# KiCad board iMX6_BareBones.kicad_pcb (continued)
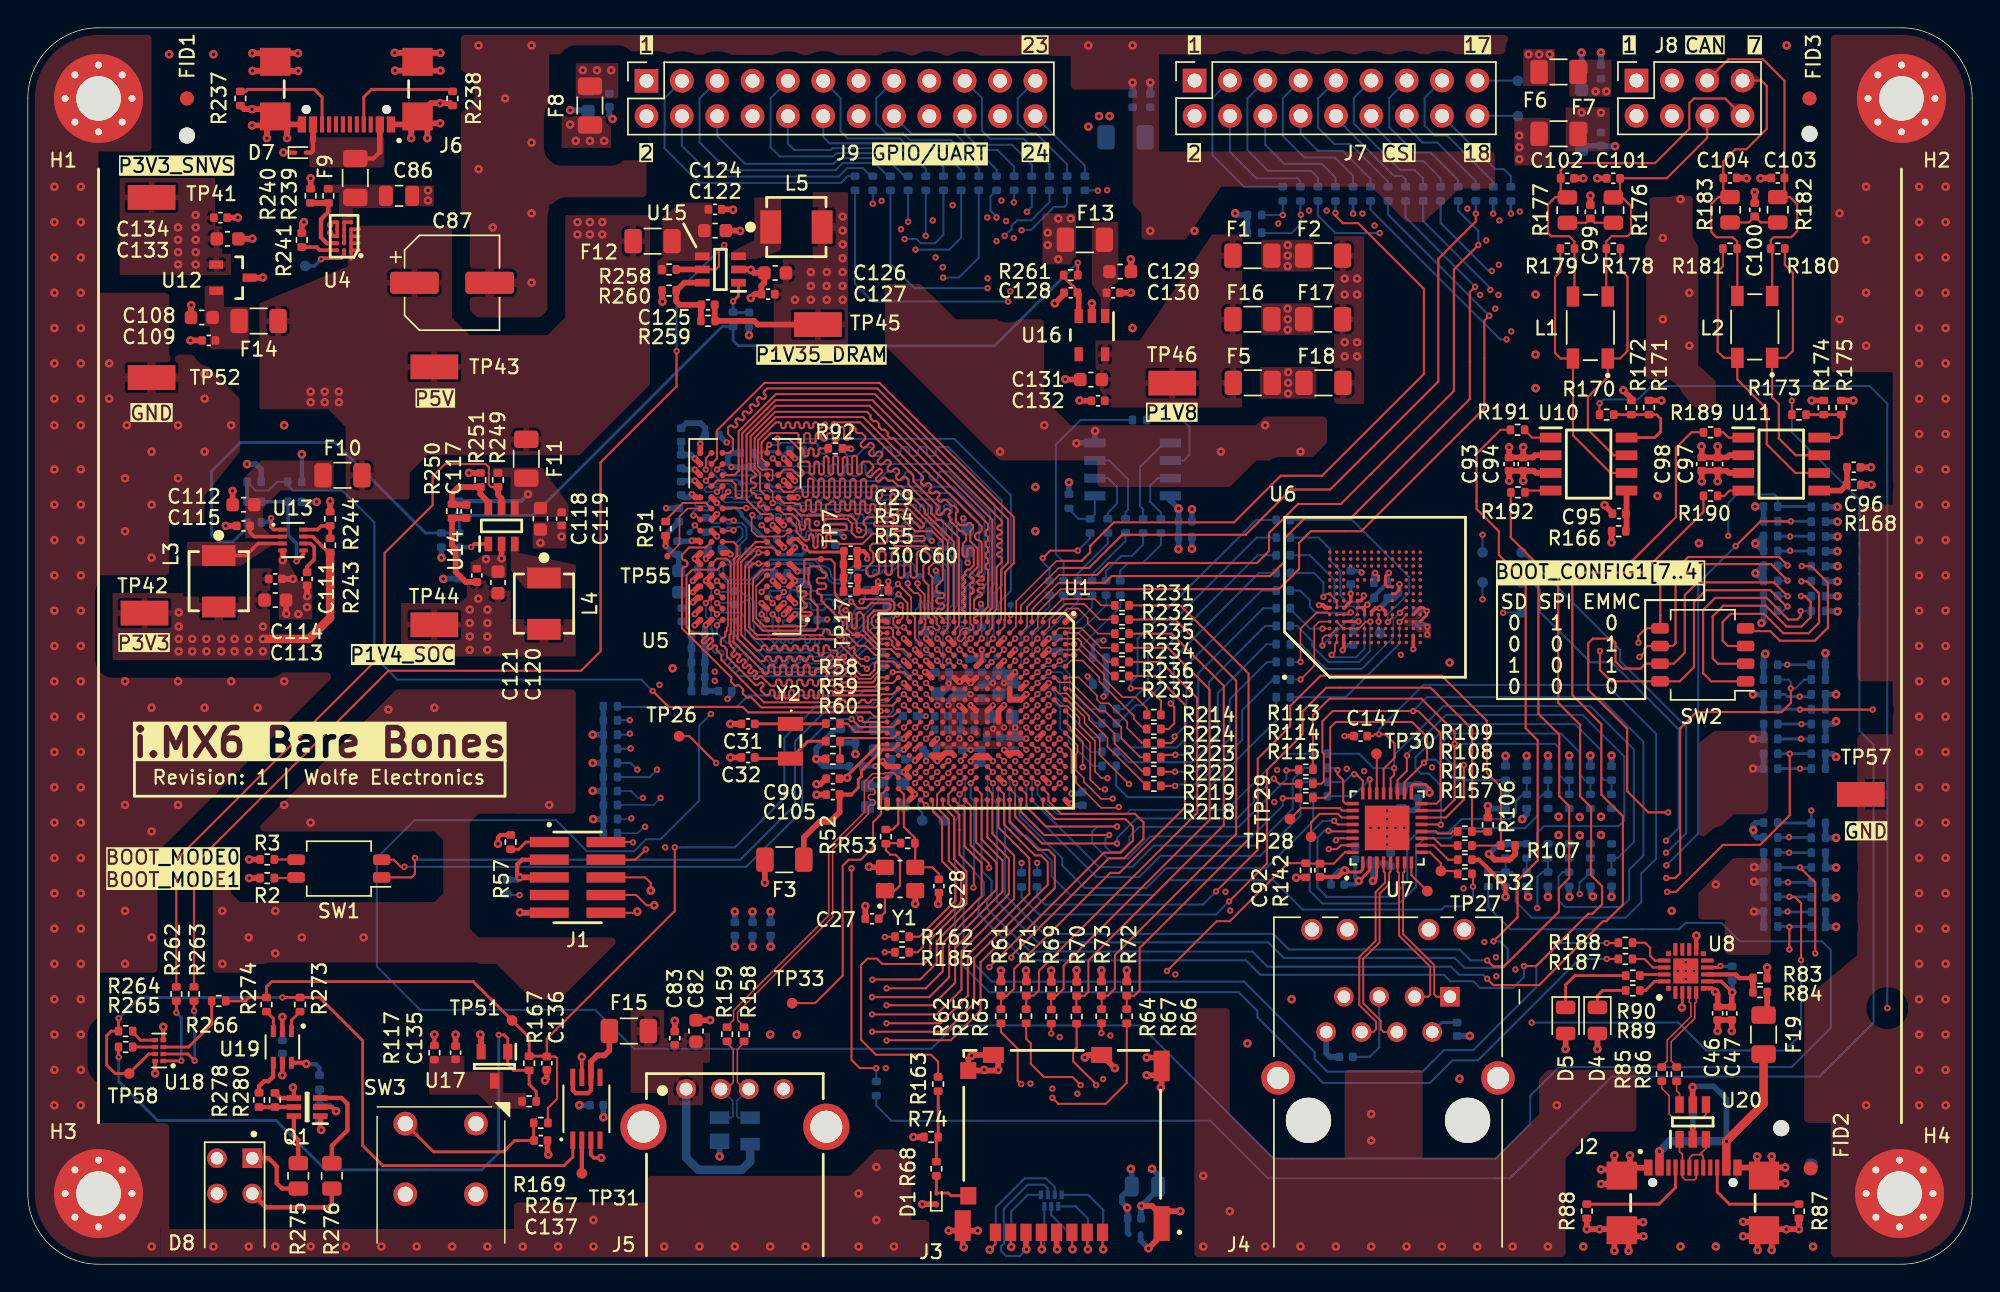
[diagram p0: board, top side]
## Placement (name value [footprint] x y rotation side) (continued)
R137  1k  [R_0402_1005Metric]  109.22 27.68 90 bottom  (not fitted)
R138  4.7k  [R_0402_1005Metric]  107.7 29.71 90 bottom  (not fitted)
R139  1k  [R_0402_1005Metric]  107.7 27.68 90 bottom
R140  4.7k  [R_0402_1005Metric]  106.17 29.71 90 bottom
R141  1k  [R_0402_1005Metric]  106.17 27.68 90 bottom  (not fitted)
R142  1k  [R_0402_1005Metric]  91.82 28.32 270 top
R143  0  [R_0402_1005Metric]  73.41 77.72 90 bottom
R144  0  [R_0402_1005Metric]  72.14 77.72 90 bottom
R145  0  [R_0402_1005Metric]  95.21 76.96 90 bottom
R146  0  [R_0402_1005Metric]  96.47 76.96 90 bottom
R147  0  [R_0402_1005Metric]  93.95 76.96 90 bottom
R148  0  [R_0402_1005Metric]  92.69 76.96 90 bottom
R149  0  [R_0402_1005Metric]  105.29 76.96 90 bottom
R150  0  [R_0402_1005Metric]  106.55 76.96 90 bottom
R151  0  [R_0402_1005Metric]  102.77 76.96 90 bottom
R152  0  [R_0402_1005Metric]  104.03 76.96 90 bottom
R153  0  [R_0402_1005Metric]  100.25 76.96 90 bottom
R154  0  [R_0402_1005Metric]  101.51 76.96 90 bottom
R155  0  [R_0402_1005Metric]  97.73 76.96 90 bottom
R156  0  [R_0402_1005Metric]  98.99 76.96 90 bottom
R157  0  [R_0402_1005Metric]  103.25 28.07 0 top
R158  0  [R_0402_1005Metric]  51.46 16.54 270 top
R159  0  [R_0402_1005Metric]  50.24 16.54 270 top
R160  0  [R_0402_1005Metric]  74.68 77.73 90 bottom
R161  0  [R_0402_1005Metric]  75.95 77.73 90 bottom
R162  0  [R_0402_1005Metric]  62.81 22.43 180 top  (not fitted)
R163  0  [R_0402_1005Metric]  65.41 12.95 270 top  (not fitted)
R164  0  [R_0402_1005Metric]  72.52 27.64 270 bottom
R166  0  [R_0402_1005Metric]  114.3 52.7 0 top
R167  1k  [R_0402_1005Metric]  36.02 14.45 270 top
R168  0  [R_0402_1005Metric]  131.19 56.03 180 top
R169  0  [R_0402_1005Metric]  36.02 11.71 0 top  (not fitted)
R170  0  [R_0402_1005Metric]  113.44 61.09 0 top
R171  10k  [R_0402_1005Metric]  115.21 61.59 270 top  (not fitted)
R172  10k  [R_0402_1005Metric]  116.48 61.59 90 top
R173  0  [R_0402_1005Metric]  127.25 61.09 0 top
R174  10k  [R_0402_1005Metric]  130.3 61.59 90 top
R175  10k  [R_0402_1005Metric]  129.03 61.59 270 top  (not fitted)
R176  62  [R_0805_2012Metric]  113.92 75.8 90 top
R177  62  [R_0805_2012Metric]  110.62 75.8 270 top
R178  0  [R_0402_1005Metric]  113.92 73.03 180 top
R179  0  [R_0402_1005Metric]  110.62 73.03 0 top
R180  0  [R_0402_1005Metric]  125.73 73.03 180 top
R181  0  [R_0402_1005Metric]  122.3 73.03 0 top
R182  62  [R_0805_2012Metric]  125.73 75.82 90 top
R183  62  [R_0805_2012Metric]  122.3 75.82 270 top
R184  0  [R_0402_1005Metric]  71.4 27.64 270 bottom
R185  0  [R_0402_1005Metric]  62.81 23.55 180 top  (not fitted)
R186  0  [R_0402_1005Metric]  60.96 12.62 270 bottom  (not fitted)
R187  0  [R_0402_1005Metric]  114.78 21.95 180 top
R188  0  [R_0402_1005Metric]  114.78 23.11 180 top
R189  0  [R_0402_1005Metric]  120.9 59.82 180 top
R190  0  [R_0402_1005Metric]  120.9 55.25 180 top
R191  0  [R_0402_1005Metric]  107.04 59.99 180 top
R192  0  [R_0402_1005Metric]  107.06 55.5 180 top
R193  0  [R_0402_1005Metric]  59.44 77.73 270 bottom
R194  0  [R_0402_1005Metric]  61.98 77.72 270 bottom
R195  0  [R_0402_1005Metric]  63.25 77.72 270 bottom
R196  0  [R_0402_1005Metric]  60.71 77.72 270 bottom
R197  0  [R_0402_1005Metric]  64.52 77.72 270 bottom
R198  0  [R_0402_1005Metric]  68.33 77.72 270 bottom
R199  0  [R_0402_1005Metric]  65.79 77.73 270 bottom
R200  0  [R_0402_1005Metric]  67.06 77.72 270 bottom
R201  0  [R_0402_1005Metric]  69.6 77.72 270 bottom
R202  0  [R_0402_1005Metric]  70.87 77.72 270 bottom
R203  0  [R_0402_1005Metric]  90.2 47.16 0 bottom
R204  0  [R_0402_1005Metric]  90.2 42.04 0 bottom
R205  0  [R_0402_1005Metric]  90.2 43.31 0 bottom
R206  0  [R_0402_1005Metric]  90.2 52.24 0 bottom
R207  0  [R_0402_1005Metric]  90.2 50.97 0 bottom
R208  0  [R_0402_1005Metric]  90.2 45.89 0 bottom
R209  0  [R_0402_1005Metric]  90.2 48.43 0 bottom
R210  0  [R_0402_1005Metric]  90.2 49.7 0 bottom
R211  0  [R_0402_1005Metric]  90.2 40.77 180 bottom
R212  0  [R_0402_1005Metric]  90.2 44.58 180 bottom
R213  0  [R_0402_1005Metric]  90.2 53.51 180 bottom
R214  0  [R_0402_1005Metric]  80.9 39.5 0 top
R215  0  [R_0402_1005Metric]  77.69 35.83 0 bottom
R216  0  [R_0402_1005Metric]  77.69 36.84 0 bottom
R217  0  [R_0402_1005Metric]  77.69 37.88 0 bottom
R218  0  [R_0402_1005Metric]  80.9 34.39 0 top
R219  0  [R_0402_1005Metric]  80.9 35.43 0 top
R220  0  [R_0402_1005Metric]  77.71 39.92 0 bottom
R221  0  [R_0402_1005Metric]  77.69 38.9 0 bottom
R222  0  [R_0402_1005Metric]  80.9 36.45 0 top
R223  0  [R_0402_1005Metric]  80.9 37.47 0 top
R224  0  [R_0402_1005Metric]  80.9 38.48 0 top
R225  0  [R_0402_1005Metric]  75.44 48.63 90 bottom
R226  0  [R_0402_1005Metric]  76.45 48.63 90 bottom
R227  0  [R_0402_1005Metric]  78.49 48.63 90 bottom
R228  0  [R_0402_1005Metric]  74.42 48.63 90 bottom
R229  0  [R_0402_1005Metric]  77.47 48.63 90 bottom
R230  0  [R_0402_1005Metric]  73.41 48.62 90 bottom
R231  0  [R_0402_1005Metric]  78.61 47.37 0 top
R232  0  [R_0402_1005Metric]  78.61 46.36 0 top
R233  0  [R_0402_1005Metric]  78.61 42.29 0 top
R234  0  [R_0402_1005Metric]  78.61 44.32 0 top
R235  0  [R_0402_1005Metric]  78.61 45.34 0 top
R236  0  [R_0402_1005Metric]  78.61 43.31 0 top
R237  5.1k  [R_0402_1005Metric]  15.27 83.82 90 top
R238  5.1k  [R_0402_1005Metric]  30.51 83.82 90 top
R239  1M  [R_0402_1005Metric]  21.59 76.82 90 top
R240  182k  [R_0402_1005Metric]  20.32 76.82 270 top
R241  10k  [R_0402_1005Metric]  19.68 73.64 270 top
R243  200k  [R_0402_1005Metric]  21.72 51.69 270 top
R244  44.2k  [R_0402_1005Metric]  21.72 53.59 270 top
R245  10k  [R_0402_1005Metric]  16.26 54.82 180 bottom
R246  10k  [R_0402_1005Metric]  19.18 56.26 0 bottom  (not fitted)
R247  10k  [R_0402_1005Metric]  16.26 56.26 180 bottom  (not fitted)
R248  0  [R_0402_1005Metric]  16.26 53.34 180 bottom
R249  100k  [R_0402_1005Metric]  33.78 56.39 90 top
R250  100k  [R_0402_1005Metric]  30.48 54.15 270 top
R251  75k  [R_0402_1005Metric]  32.51 56.39 270 top
R252  10k  [R_0402_1005Metric]  30.99 54.36 90 bottom  (not fitted)
R253  10k  [R_0402_1005Metric]  29.72 52.07 90 bottom  (not fitted)
R254  10k  [R_0402_1005Metric]  30.99 52.07 90 bottom
R256  10k  [R_0402_1005Metric]  68.51 46.32 90 bottom
R257  10k  [R_0402_1005Metric]  50.67 67.94 270 bottom
R258  100k  [R_0402_1005Metric]  46.08 71.53 180 top
R259  100k  [R_0402_1005Metric]  48.87 67.83 0 top
R260  80k  [R_0402_1005Metric]  46.08 70 0 top
R261  10k  [R_0402_1005Metric]  74.93 71.12 0 top
R262  0  [R_0402_1005Metric]  10.67 19.43 270 top
R263  0  [R_0402_1005Metric]  11.94 19.43 270 top
R264  0  [R_0402_1005Metric]  7.03 16.76 0 top  (not fitted)
R265  0  [R_0402_1005Metric]  7.03 15.62 0 top  (not fitted)
R266  0  [R_0402_1005Metric]  13.72 18.92 0 top  (not fitted)
R267  0  [R_0402_1005Metric]  36.86 10.16 0 top
R269  0  [R_0402_1005Metric]  90.17 76.96 270 bottom
R270  0  [R_0402_1005Metric]  91.43 76.96 270 bottom
R271  4.7k  [R_0402_1005Metric]  88.14 75.44 180 bottom  (not fitted)
R272  4.7k  [R_0402_1005Metric]  88.14 74.17 180 bottom  (not fitted)
R273  0  [R_0402_1005Metric]  19.56 18.67 90 top
R274  0  [R_0402_1005Metric]  17.14 18.67 90 top
R275  43  [R_0805_2012Metric]  19.43 6.35 90 top
R276  43  [R_0805_2012Metric]  21.84 6.35 90 top
R277  1k  [R_0402_1005Metric]  20.95 13.08 270 bottom
R278  1k  [R_0402_1005Metric]  16.61 11.81 270 top
R279  100k  [R_0402_1005Metric]  20.95 10.92 270 bottom
R280  100k  [R_0402_1005Metric]  17.75 11.81 90 top
R281  10k  [R_0402_1005Metric]  65.26 52.67 180 bottom
R282  100k  [R_0402_1005Metric]  59.44 37.97 90 bottom
REF**  -  [KiCad-Logo2_8mm_SilkScreen]  106.05 63.18 180 bottom
SW1  A6H-2101  [SW_DIP_SPSTx02_Slide_Omron_A6H-2101_W6.15mm_P1.27mm]  22.35 28.45 180 top
SW2  A6H-4101  [SW_DIP_SPSTx04_Slide_Omron_A6H-4101_W6.15mm_P1.27mm]  120.35 43.81 180 top
SW3  -  [800SP9B10M6QE]  27.12 10.11 0 top
TP1  TestPoint  [TestPoint_Pad_D30mil]  65.81 31.88 180 bottom
TP2  TestPoint  [TestPoint_Pad_D30mil]  64.26 31.9 180 bottom
TP5  TestPoint  [TestPoint_Pad_D18mil]  49.99 52.69 180 bottom
TP6  TestPoint  [TestPoint_Pad_D18mil]  49.99 53.61 180 bottom
TP7  TestPoint  [TestPoint_Pad_D18mil]  56.98 50.68 0 top
TP9  TestPoint  [TestPoint_Pad_D18mil]  50.83 46.26 180 bottom
TP11  TestPoint  [TestPoint_Pad_D18mil]  54.18 54.74 180 bottom
TP13  TestPoint  [TestPoint_Pad_D18mil]  51.23 56.13 180 bottom
TP15  TestPoint  [TestPoint_Pad_D18mil]  63.07 49.52 180 bottom
TP16  TestPoint  [TestPoint_Pad_D18mil]  64.07 49.49 180 bottom
TP17  TestPoint  [TestPoint_Pad_D18mil]  59.62 45.25 0 top
TP19  TestPoint  [TestPoint_Pad_D18mil]  66.12 46.52 180 bottom
TP21  TestPoint  [TestPoint_Pad_D18mil]  60.53 44.87 180 bottom
TP23  TestPoint  [TestPoint_Pad_D18mil]  67.55 45.53 180 bottom
TP26  TestPoint  [TestPoint_Pad_D30mil]  46.79 37.96 0 top
TP27  TestPoint  [TestPoint_Pad_D30mil]  100.56 26.82 0 top
TP28  TestPoint  [TestPoint_Pad_D30mil]  92.2 30.73 0 top
TP29  TestPoint  [TestPoint_Pad_D30mil]  90.68 32 0 top
TP30  TestPoint  [TestPoint_Pad_D30mil]  96.9 36.7 0 top
TP31  TestPoint  [TestPoint_Pad_D30mil]  39.8 6.53 0 top
TP32  TestPoint  [TestPoint_Pad_D30mil]  101.52 28.27 0 top
TP33  TestPoint  [TestPoint_Pad_D30mil]  54.91 18.77 0 top
TP34  TestPoint  [TestPoint_Pad_D30mil]  97.16 45.36 270 bottom
TP35  TestPoint  [TestPoint_Pad_D30mil]  107.32 51.18 90 bottom
TP36  TestPoint  [TestPoint_Pad_D30mil]  107.31 49.02 90 bottom
TP37  TestPoint  [TestPoint_Pad_D30mil]  107.31 46.86 90 bottom
TP38  TestPoint  [TestPoint_Pad_D30mil]  104.52 51.18 90 bottom
TP39  TestPoint  [TestPoint_Pad_D30mil]  104.52 49.02 90 bottom
TP40  TestPoint  [TestPoint_Pad_D30mil]  19.94 71.78 0 bottom
TP41  TestPoint  [KEYSTONE_5015]  8.89 76.71 180 top
TP42  TestPoint  [KEYSTONE_5015]  8.38 46.82 180 top
TP43  TestPoint  [KEYSTONE_5015]  29.21 64.52 180 top
TP44  TestPoint  [KEYSTONE_5015]  29.21 45.97 0 top
TP45  TestPoint  [KEYSTONE_5015]  56.77 67.56 0 top
TP46  TestPoint  [KEYSTONE_5015]  82.23 63.35 180 top
TP47  TestPoint  [TestPoint_Pad_D18mil]  70.62 47.41 180 bottom
TP48  TestPoint  [TestPoint_Pad_D18mil]  52.6 53.72 180 bottom
TP49  TestPoint  [TestPoint_Pad_D18mil]  66.57 43.76 180 bottom
TP50  TestPoint  [TestPoint_Pad_D18mil]  69.6 43.67 180 bottom
TP51  TestPoint  [TestPoint_Pad_D30mil]  34.8 17.53 0 top
TP52  TestPoint  [KEYSTONE_5015]  8.89 63.75 180 top
TP53  TestPoint  [TestPoint_Pad_D18mil]  47.55 52.63 180 bottom
TP54  TestPoint  [TestPoint_Pad_D18mil]  60.48 52.69 180 bottom
TP55  TestPoint  [TestPoint_Pad_D18mil]  45.96 50.91 0 top
TP56  TestPoint  [TestPoint_Pad_D18mil]  50.32 55.54 180 bottom
TP57  TestPoint  [KEYSTONE_5015]  131.7 33.78 0 top
TP58  TestPoint  [TestPoint_Pad_D30mil]  7.28 13.71 0 top
TP65  TestPoint  [TestPoint_Pad_D30mil]  107.06 82.55 180 bottom
TP66  TestPoint  [TestPoint_Pad_D30mil]  107.06 85.09 180 bottom
U1  MCIMX6Y2DVM09AB  [imx6ull_BGA289C80P17X17_1400X1400X132]  68.14 39.79 270 top
U2  PUSB3AB6Z  [IC_PUSB3AB6Z_ESD-SD]  73.53 4.57 270 bottom
U3  AT25SF321B-SSHB-T  [QSPI_flash_AT25SF321B_SOIC127P600X175-8N]  79.38 57.15 0 bottom
U4  -  [NX20P5090UK]  22.72 73.91 180 top
U5  MT41K256M16TW-107  [MT41K_BGA96C80P9X16_1400X800X120]  51.52 52.34 180 top
U6  MX52LM04A11XSI  [eMMC_BGA153C50P14X14_1150X1300X80]  96.79 47.95 90 top
U7  KSZ8081RNBIA-TR  [KSZ8081RNB_QFN32]  97.66 31.37 90 top
U8  CP2102N-A02-GQFN20  [CP2102N_WFQFN-20]  119.13 21.08 90 top
U9  MIC2025-1YMM  [MIC2025_MSOP-8_MM_MCH]  40.13 11.18 90 top
U10  TJA1042T/3  [TJA1042T_SOIC127P600X175-8N]  112.14 57.53 0 top
U11  TJA1042T/3  [TJA1042T_SOIC127P600X175-8N]  125.98 57.53 0 top
U12  TLV76033DBZR  [TLV76033]  14.73 70.93 0 top
U13  MP2182GTL-Z  [SOT583_MP2182_MNP]  19.05 52.07 0 top
U14  AP3401KTTR-G1  [AP3401_SOT95P280X100-6N]  34.04 53.09 90 top
U15  AP3401KTTR-G1  [AP3401_SOT95P280X100-6N]  49.76 71.53 180 top
U16  TLV75718PDBVR  [LTV75718]  76.45 66.8 270 top
U17  APX803S-26SR  [APX803]  33.53 14.22 270 top
U18  74LVC2G08GT  [DualAnd_74LVC2G08GT]  9.44 15.36 180 top
U19  SN74LVC2G34DCK3  [SN74LVC2G34_DCK6]  18.29 15.62 270 top
U20  -  [USBLC6-2SC6]  119.62 10.23 90 top
Y1  TSX-3225 24.0000MF15X-AC3  [TSX-322524.0000MF15X-AC3]  62.67 27.7 90 top
Y2  FC-135_32.7680KA  [FC135327680KAK0]  54.8 37.6 270 top

## Library data of the parts
C1 C24 C26 C82 C107 C108 C112 C118 C120 C122 C126 C129 C131 C133 C140 C142 C144 = -: Description: Unpolarized capacitor; Temperature Coefficients: X7R; MPN: GRM188Z71A106KA73; Tolerance: 10%; Voltage: 10V; Package: 0603; Manufacturer: Murata; ki_fp_filters: C_*
C2 C3 C5 C8 C11-C13 C15 C16 C19 C20 C23 C148 = -: Description: Unpolarized capacitor; MPN: GRM155R71C224KA12; Temperature Coefficients: X7R; Tolerance: 10%; Voltage: 16V; Package: 0402; Manufacturer: Murata; ki_fp_filters: C_*
C4 = -: Description: Unpolarized capacitor; Placement: K10; Temperature Coefficients: X5R; MPN: GRM188R61A226ME15; Tolerance: 20%; Voltage: 10V; Package: 0603; Manufacturer: Murata; ki_fp_filters: C_*
C6 C7 C33 C46 = -: Description: Unpolarized capacitor; MPN: GRM155R61A475MEA; Temperature Coefficients: X5R; Tolerance: 20%; Voltage: 10V; Package: 0402; Manufacturer: Murata; ki_fp_filters: C_*
C9 C10 C14 C17 C34 = -: Description: Unpolarized capacitor; Placement: K10; MPN: GRM155R71C224KA12; Temperature Coefficients: X7R; Tolerance: 10%; Voltage: 16V; Package: 0402; Manufacturer: Murata; ki_fp_filters: C_*
C18 = -: Description: Unpolarized capacitor; Placement: G9; MPN: GRM155R71C224KA12; Temperature Coefficients: X7R; Tolerance: 10%; Voltage: 16V; Package: 0402; Manufacturer: Murata; ki_fp_filters: C_*
C21 = -: Description: Unpolarized capacitor; Placement: G9; Temperature Coefficients: X5R; MPN: GRM188R61A226ME15; Tolerance: 20%; Voltage: 10V; Package: 0603; Manufacturer: Murata; ki_fp_filters: C_*
C22 = -: Description: Unpolarized capacitor; Placement: AA10; MPN: GRM155R71C224KA12; Temperature Coefficients: X7R; Tolerance: 10%; Voltage: 16V; Package: 0402; Manufacturer: Murata; ki_fp_filters: C_*
C25 = -: Description: Unpolarized capacitor; Placement: AA10; Temperature Coefficients: X5R; MPN: GRM188R61A226ME15; Tolerance: 20%; Voltage: 10V; Package: 0603; Manufacturer: Murata; ki_fp_filters: C_*
C27 C28 C117 C125 = -: Description: Unpolarized capacitor; Temperature Coefficients: C0G; MPN: GJM1555C1H220FB01; Package: 0402; Tolerance: 1%; Voltage: 50V; Manufacturer: Murata; ki_fp_filters: C_*
C29 C30 C73-C75 C78 C79 C92 C94 C97 C147 = -: Description: Unpolarized capacitor; MPN: GRM155R71C104KA88; Temperature Coefficients: X7R; Tolerance: 10%; Voltage: 16V; Package: 0402; Manufacturer: Murata; ki_fp_filters: C_*
C31 C32 = -: Description: Unpolarized capacitor; Temperature Coefficients: C0G; MPN: GJM1555C1H180FB01; Package: 0402; Tolerance: 1%; Voltage: 50V; Manufacturer: Murata; ki_fp_filters: C_*
C35 C37 C40 C42 C44 C45 C48-C50 C52 C53 C58-C72 C84 C85 C88 C89 C91 C110 C116 C123 C128 C146 C149 = -: Description: Unpolarized capacitor; Temperature Coefficients: X7R; MPN: GRM155R71C224KA12; Tolerance: 10%; Voltage: 16V; Package: 0402; Manufacturer: Murata; ki_fp_filters: C_*
C36 = -: Description: Unpolarized capacitor; Temperature Coefficients: X5R; MPN: GRM21BR61A476ME15; Tolerance: 20%; Voltage: 10V; Package: 0805; Manufacturer: Murata; ki_fp_filters: C_*
C38 C41 C43 C80 = -: Description: Unpolarized capacitor; Temperature Coefficients: X7R; MPN: GRM155Z71A225KE44; Tolerance: 10%; Voltage: 10V; Package: 0402; Manufacturer: Murata; ki_fp_filters: C_*
C39 C81 C93 C95 C96 C98 C138 = -: Description: Unpolarized capacitor; Temperature Coefficients: X7R; MPN: GRM155Z71A105KE01; Tolerance: 10%; Voltage: 10V; Package: 0402; Manufacturer: Murata; ki_fp_filters: C_*
C47 C83 C106 C109 C114 C115 C119 C121 C124 C127 C130 C132 C134-C137 C139 C141 C143 C145 C150 = -: Description: Unpolarized capacitor; Temperature Coefficients: X7R; MPN: GRM155R71C104KA88; Tolerance: 10%; Voltage: 16V; Package: 0402; Manufacturer: Murata; ki_fp_filters: C_*
C51 C76 C77 = -: Description: Polarized capacitor; Temperature Coefficients: X5R; MPN: GRM188R61A226ME15; Tolerance: 20%; Voltage: 10V; Package: 0603; Manufacturer: Murata; ki_fp_filters: C_*
C54-C57 = -: Description: Unpolarized capacitor; Temperature Coefficients: C0G; MPN: GJM1555C1H2R2WB01; Package: 0402; Tolerance: ±0.05pF; Voltage: 50V; Manufacturer: Murata; ki_fp_filters: C_*
C86 = -: Description: Unpolarized capacitor; Voltage: 50V; MPN: GRM21BZ71H475ME15; Temperature Coefficients: X7R; Tolerance: 10%; Package: 0805; Manufacturer: Murata; ki_fp_filters: C_*
C87 = -: Description: Polarized capacitor; MPN: EEV107M035S9HAA; Manufacturer: Kemet; Voltage: 35V; Package: 6.3x7.7; Tolerance: 20%; ki_fp_filters: CP_*
C90 C105 = -: Description: Unpolarized capacitor; Voltage: 10V; Temperature Coefficients: X7R; MPN: GRM155Z71A105KE01; Tolerance: 10%; Package: 0402; Manufacturer: Murata; ki_fp_filters: C_*
C99 C100 = -: Description: Unpolarized capacitor; Temperature Coefficients: C0G; MPN: GRM1555CYA103GE01; Package: 0402; Tolerance: 2%; Voltage: 35V; Manufacturer: Murata; ki_fp_filters: C_*
C101-C104 = -: Description: Unpolarized capacitor; Temperature Coefficients: C0G; MPN: GRM1555C1H560JA01; Package: 0402; Tolerance: 5%; Voltage: 50V; Manufacturer: Murata; ki_fp_filters: C_*
C111 = -: Description: Unpolarized capacitor; Temperature Coefficients: C0G; MPN: GRM1555C1H222GA01; Package: 0402; Tolerance: 2%; Voltage: 50V; Manufacturer: Murata; ki_fp_filters: C_*
C113 = -: Description: Unpolarized capacitor; Temperature Coefficients: X5R; MPN: GRM188R61A226ME15; Tolerance: 20%; Voltage: 10V; Package: 0603; Manufacturer: Murata; ki_fp_filters: C_*
D1 D2 D7 = -: Datasheet: https://www.onsemi.com/pub/Collateral/ESD9B-D.PDF; Description: ESD protection diode, 5.0Vrwm, SOD-923; Manufacturer: Onsemi; ki_fp_filters: D*SOD?923*
D4 = -: Description: Light emitting diode, small symbol; Sim.Pin: 1=K 2=A; Color: Green; Manufacturer: Lite-on; Package: 0805; ki_fp_filters: LED* LED_SMD:* LED_THT:*
D5 = -: Description: Light emitting diode, small symbol; Sim.Pin: 1=K 2=A; Color: Red; Manufacturer: Lite-on; Package: 0805; ki_fp_filters: LED* LED_SMD:* LED_THT:*
D6 = -: Datasheet: https://nl.mouser.com/datasheet/2/240/Littelfuse_TVS_Diode_Array_SP05_Datasheet.pdf-777043.pdf; Description: ESD Suppressors / TVS Diodes TVS AVAL DIODE SMT; Height: 1.22; Manufacturer_Name: LITTELFUSE; Mouser Part Number: 576-SP0503BAHTG; Mouser Price/Stock: https://www.mouser.co.uk/ProductDetail/Littelfuse/SP0503BAHTG?qs=uD%2FdkN7XIa0NTYXwHdELYA%3D%3D; Arrow Price/Stock: https://www.arrow.com/en/products/sp0503bahtg/littelfuse?utm_currency=USD&region=europe; Manufacturer: Littelfuse
D8 = -: Description: Dual LED, cathodes on pins 1 and 3; Manufacturer: Kingbright; ki_fp_filters: LED* LED_SMD:* LED_THT:*
F1-F8 F11-F19 = -: Description: Fuse; Current Rating: 0.8A; Manufacturer: Bourns; Package: 1206; ki_fp_filters: *Fuse*
F9 = -: Description: Fuse; Current Rating: 3A; Manufacturer: Bourns; Package: 1206; ki_fp_filters: *Fuse*
F10 = -: Description: Fuse; Current Rating: 1.5A; Manufacturer: Bourns; Package: 1206; ki_fp_filters: *Fuse*
FID1-FID6 = -: Description: Fiducial Marker; ki_fp_filters: Fiducial*
H1-H4 = -: Description: Mounting Hole with connection; ki_fp_filters: MountingHole*Pad*
H5-H7 = -: Description: Mounting Hole without connection; ki_fp_filters: MountingHole*
J1 = -: PARTREV: H; STANDARD: Manufacturer Recommendation; MANUFACTURER: Samtec; Manufacturer: Samtec
J2 J3 = -: Manufacturer: GCT
J4 = -: Manufacturer: Wurth; ki_fp_filters: *WE-RJ45LAN*10/100BASE-T*
J5 = -: Manufacturer: Wurth
J6 = -: MPN: USB4110-GF-A; Manufacturer: GCT
J7 = -: Description: Generic connector, double row, 02x09, odd/even pin numbering scheme (row 1 odd numbers, row 2 even numbers), script generated (kicad-library-utils/schlib/autogen/connector/); Manufacturer: Sullins; ki_fp_filters: Connector*:*_2x??_*
J8 = -: Description: Generic connector, double row, 02x04, odd/even pin numbering scheme (row 1 odd numbers, row 2 even numbers), script generated (kicad-library-utils/schlib/autogen/connector/); Manufacturer: Sullins; ki_fp_filters: Connector*:*_2x??_*
J9 = -: Description: Generic connector, double row, 02x12, odd/even pin numbering scheme (row 1 odd numbers, row 2 even numbers), script generated (kicad-library-utils/schlib/autogen/connector/); Manufacturer: Sullins; ki_fp_filters: Connector*:*_2x??_*
L1 L2 = -: Description: Common Mode Chokes / Filters; MF: Murata; PACKAGE: None; PRICE: None; MP: DLW43SH220XK2K; AVAILABILITY: Unavailable; Manufacturer: Murata
L3 = -: Description: Inductor; MPN: 74437324010; Manufacturer: Wurth; ki_fp_filters: Choke_* *Coil* Inductor_* L_*
L4 L5 = -: Description: Inductor; MPN: 74437324022; Manufacturer: Wurth; ki_fp_filters: Choke_* *Coil* Inductor_* L_*
Q1 = -: Description: Dual NPN transistor, 6 pin package; Manufacturer: Onsemi
R1 R91 = -: Description: Resistor; Tolerance: 0.1%; MPN: RT0402BRD07240RL; Manufacturer: Yageo; Package: 0402; Power: 1/16W; ki_fp_filters: R_*
R2 R3 R8-R51 R61 R69-R75 R82 R171 R172 R174 R175 R241 R245-R247 R252-R254 R257 R261 = -: Description: Resistor; MPN: RC0402FR-7W10KL; Manufacturer: Yageo; Package: 0402; Power: 1/8W; Tolerance: 1%; ki_fp_filters: R_*
R4-R7 R106 R107 R119 R121 R123 R125 R127 R129 R131 R133 R135 R137 R139 R141 R142 R167 R277 R278 = -: Description: Resistor; MPN: RC0402FR-7W1KL; Manufacturer: Yageo; Package: 0402; Power: 1/8W; Tolerance: 1%; ki_fp_filters: R_*
R52 R58-R60 R62-R68 R76-R81 R85 R86 R99 R104 R108-R116 R143-R164 R166 R168-R170 R173 R178-R181 R184-R236 R248 R262-R267 R269 R270 R273 R274 = -: Description: Resistor; MPN: RC0402JR-070RL; Manufacturer: Yageo; Package: 0402; Power: 1/16W; Tolerance: Jumper; ki_fp_filters: R_*
R53 R94-R98 R100-R103 = -: Description: Resistor; MPN: MCS0402MD1004BE000; Manufacturer: Vishay Dale; Package: 0402; Power: 1/16W; Tolerance: 0.1%; ki_fp_filters: R_*
R54 R55 = -: Description: Resistor; Tolerance: 0.1%; MPN: ERA-2AEB152X; Manufacturer: Panasonic Electronic Components; Package: 0402; Power: 1/16W; ki_fp_filters: R_*
R56 R118 R120 R122 R124 R126 R128 R130 R132 R134 R136 R138 R140 R271 R272 = -: Description: Resistor; MPN: RC0402FR-074K7L; Manufacturer: Yageo; Package: 0402; Power: 1/16W; Tolerance: 1%; ki_fp_filters: R_*
R57 = -: Description: Resistor; MPN: RT0402BRD07240RL; Manufacturer: Yageo; Package: 0402; Power: 1/16W; Tolerance: 0.1%; ki_fp_filters: R_*
R83 = -: Description: Resistor; MPN: RC0402FR-0747K5L; Manufacturer: Yageo; Package: 0402; Power: 1/16W; Tolerance: 1%; ki_fp_filters: R_*
R84 = -: Description: Resistor; MPN: RC0402FR-0722K1L; Manufacturer: Yageo; Package: 0402; Power: 1/16W; Tolerance: 1%; ki_fp_filters: R_*
R87 R88 R237 R238 = -: Description: Resistor; Tolerance: 0.1%; MPN: RT0402BRD075K1L; Manufacturer: Yageo; Package: 0402; Power: 1/16W; ki_fp_filters: R_*
R89 R90 = -: Description: Resistor; MPN: RCC0402470RFKED; Manufacturer: Vishay Dale; Package: 0402; Power: 1/8W; Tolerance: 1%; ki_fp_filters: R_*
R92 R256 R281 = -: Description: Resistor; Tolerance: 1%; MPN: RC0402FR-7W10KL; Manufacturer: Yageo; Package: 0402; Power: 1/8W; ki_fp_filters: R_*
R93 = -: Description: Resistor; Tolerance: 1%; MPN: RCC0402470RFKED; Manufacturer: Vishay Dale; Package: 0402; Power: 1/8W; ki_fp_filters: R_*
R105 = -: Description: Resistor; MPN: CRCW04026K49FKED; Manufacturer: Vishay Dale; Package: 0402; Power: 1/10W; Tolerance: 1%; ki_fp_filters: R_*
R117 = -: Description: Resistor; MPN: ERA-2AEB152X; Manufacturer: Panasonic Electronic Components; Package: 0402; Power: 1/16W; Tolerance: 0.1%; ki_fp_filters: R_*
R176 R177 R182 R183 = -: Description: Resistor; Tolerance: 1%; MPN: RK73H2ATTD62R0F; Manufacturer: KOA Speer Electronics, Inc.; Package: 0805; Power: 1/4W; ki_fp_filters: R_*
R239 = -: Description: Resistor; Tolerance: 0.1%; MPN: MCS0402MD1004BE000; Manufacturer: Vishay Dale; Package: 0402; Power: 1/16W; ki_fp_filters: R_*
R240 = -: Description: Resistor; Tolerance: 0.1%; MPN: RT0402BRD07182KL; Manufacturer: Yageo; Package: 0402; Power: 1/16W; ki_fp_filters: R_*
R243 = -: Description: Resistor; Tolerance: 0.1%; MPN: RT0402BRD07200KL; Manufacturer: Yageo; Package: 0402; Power: 1/16W; ki_fp_filters: R_*
R244 = -: Description: Resistor; Tolerance: 0.1%; MPN: RT0402BRD0744K2L; Manufacturer: Yageo; Package: 0402; Power: 1/16W; ki_fp_filters: R_*
R249 R258 R279 R280 R282 = -: Description: Resistor; MPN: RT0402BRE07100KL; Manufacturer: Yageo; Package: 0402; Power: 1/16W; Tolerance: 0.1%; ki_fp_filters: R_*
R250 R259 = -: Description: Resistor; Tolerance: 0.1%; MPN: RT0402BRE07100KL; Manufacturer: Yageo; Package: 0402; Power: 1/16W; ki_fp_filters: R_*
R251 = -: Description: Resistor; Tolerance: 0.1%; MPN: RT0402BRD0775KL; Manufacturer: Yageo; Package: 0402; Power: 1/16W; ki_fp_filters: R_*
R260 = -: Description: Resistor; Tolerance: 0.1%; MPN: RNCF0402BTE80K0; Manufacturer: Stackpole Electronics Inc; Package: 0402; Power: 1/10W; ki_fp_filters: R_*
R275 R276 = -: Description: Resistor; Power: 1/4W; MPN: CRCW080543R0FKEA; Manufacturer: Vishay Dale; Package: 0805; Tolerance: 1%; ki_fp_filters: R_*
SW1 SW2 = -: Manufacturer: Omron
SW3 = -: Type: SPST Push-button; Manufacturer: E Switch
TP1 TP2 TP5-TP7 TP9 TP11 TP13 TP15-TP17 TP19 TP21 TP23 TP26-TP40 TP47-TP51 TP53-TP56 TP58 TP65 TP66 = -: Description: test point; ki_fp_filters: Pin* Test*
TP41-TP46 TP52 TP57 = -: Description: test point; MPN: 5015; Manufacturer: Keystone; ki_fp_filters: Pin* Test*
U1 = -: Manufacturer: NXP
U2 U18 = -: Manufacturer: Nexperia
U3 = -: Datasheet: https://www.mouser.in/datasheet/2/590/AT25SF321B-1635166.pdf; Description: The AT25SF321B is a member of our standard class code and data storage solutions designed for 3V systems in which program code is shadowed from Flash memory into embedded or external RAM for execution.The architecture includes erase block sizes that are optimized to meet the needs of today\'s code and data storage applications and three security register pages for unique device serialization, system-level Electronic Serial Number (ESN) storage, locked key storage, etc.	Universally compatible pinout and comma; Height: 1.75; Manufacturer_Name: Renesas Electronics; Mouser Part Number: 988-AT25SF321BSSHB-T; Mouser Price/Stock: https://www.mouser.co.uk/ProductDetail/Renesas-Dialog/AT25SF321B-SSHB-T?qs=IS%252B4QmGtzzpJt7diTvTTCw%3D%3D; Manufacturer: Renesas
U4 = -: Datasheet: https://www.arrow.com/en/products/nx20p5090uk/nxp-semiconductors?region=nac; Description: USB Power Switch Single 20V 15-Pin WLCSP; Height: 0.595; Manufacturer_Name: NXP; Arrow Price/Stock: https://www.arrow.com/en/products/nx20p5090uk/nxp-semiconductors?region=nac; Manufacturer: NXP
U5 = -: Manufacturer: Micron
U6 = -: Manufacturer: Macronix
U7 = -: Manufacturer: Microchip; ki_fp_filters: QFN-32_MCH QFN-32_MCH-M QFN-32_MCH-L
U8 = -: MF: Silicon Labs; Description_1: USB Bridge, USB to UART USB 2.0 UART Interface 20-QFN (3x3); Package: WFQFN-20 Silicon Labs; Price: None; SnapEDA_Link: https://www.snapeda.com/parts/CP2102N-A02-GQFN20/Silicon+Labs/view-part/?ref=snap; Availability: In Stock; Check_prices: https://www.snapeda.com/parts/CP2102N-A02-GQFN20/Silicon+Labs/view-part/?ref=eda; Manufacturer: Silicon Labs
U9 = -: Datasheet: MIC2025-1YMM-TR; Manufacturer: Microchip; ki_fp_filters: MSOP-8_MM_MCH MSOP-8_MM_MCH-M MSOP-8_MM_MCH-L
U10 U11 = -: Datasheet: https://www.nxp.com/docs/en/data-sheet/TJA1042.pdf; Description: High-speed CAN transceiver with Standby mode; Height: 1.75; Manufacturer_Name: NXP; Mouser Part Number: N/A; Mouser Price/Stock: https://www.mouser.co.uk/ProductDetail/NXP-Semiconductors/TJA1042T-3?qs=fAHHVMwC%252Bbh%252BFVYbfud4Ag%3D%3D; Manufacturer: NXP
U12 = -: Datasheet: https://www.ti.com/lit/gpn/tlv760; Manufacturer: Texas Instruments; ki_fp_filters: DBZ0003A_N DBZ0003A_M DBZ0003A_L
U13 = -: Datasheet: https://www.monolithicpower.com/en/documentview/productdocument/index/version/2/document_type/Datasheet/lang/en/sku/MP2182GTL-Z; Manufacturer: Monolithic Power Systems; ki_fp_filters: SOT583_MP2182_MNP SOT583_MP2182_MNP-M SOT583_MP2182_MNP-L
U14 U15 = -: Datasheet: https://www.diodes.com/assets/Datasheets/AP3401.pdf; Description: Buck Switching Regulator IC Positive Adjustable 0.6V 1 Output 1A SOT-23-6 Thin, TSOT-23-6; Height: 1; Manufacturer_Name: Diodes Incorporated; Mouser Part Number: 621-AP3401KTTR-G1; Mouser Price/Stock: https://www.mouser.co.uk/ProductDetail/Diodes-Incorporated/AP3401KTTR-G1?qs=EDJ299gKAZRDR1tEHMwkKQ%3D%3D; Arrow Price/Stock: https://www.arrow.com/en/products/ap3401kttr-g1/diodes-incorporated?utm_currency=USD&region=europe; Manufacturer: Diodes Incorporated
U16 = -: Datasheet: https://www.ti.com/lit/gpn/tlv757p; Manufacturer: Texas Instruments; ki_fp_filters: DBV0005A_N DBV0005A_M DBV0005A_L
U17 = -: Datasheet: https://www.diodes.com//assets/Datasheets/APX803S.pdf; Description: Precision Monitoring of 2.5V, 3.0V, 3.3V, and 5.0V Power-Supply Voltages  Fully Specified Over Temperature  Open-drain RESET Active Low  Power-On/Power Supply Glitch Reset Pulse  APX803S00 1.7ms (Typ.)  APX803S05 50ms (Typ.)  APX803S 240ms (Typ.)  10A Supply Current (Typ.)  Guaranteed Reset Valid to VCC = 1V  Totally Lead-Free & Fully RoHS Compliant (Note 1 & 2)  Halogen and Antimony Free. Green Device (Note 3); Height: 1.1; Manufacturer_Name: Diodes Incorporated; Manufacturer_Part_Number: APX803S-29SR-7; Mouser Part Number: 621-APX803S-29SR-7; Mouser Price/Stock: https://www.mouser.co.uk/ProductDetail/Diodes-Incorporated/APX803S-29SR-7?qs=AQlKX63v8Rvj6g1q7dmZvg%3D%3D; Arrow Part Number: APX803S-29SR-7; Arrow Price/Stock: https://www.arrow.com/en/products/apx803s-29sr-7/diodes-incorporated; Manufacturer: Diodes Incorporated
U19 = -: Datasheet: https://www.ti.com/lit/gpn/sn74lvc2g34; Manufacturer: Texas Instruments; ki_fp_filters: DCK6 DCK6-M DCK6-L
U20 = -: Datasheet: https://www.st.com/resource/en/datasheet/usblc6-2.pdf; Description: Very low capacitance ESD protection diode, 2 data-line, SOT-666; ki_fp_filters: SOT?666*
Y1 = -: Description: Four pin crystal, GND on pins 2 and 4; Manufacturer: Epson; ki_fp_filters: Crystal*
Y2 = -: Datasheet: https://support.epson.biz/td/api/doc_check.php?dl=brief_FC-135R_en.pdf; Description: CRYSTAL 32.7680 KHZ 10.0PF SMD; Manufacturer_Name: Epson Timing; Manufacturer: Epson

## Footprints (pads in the part's own frame, mm; a bottom-side part is the same pattern mirrored in y, then rotated)
800SP9B10M6QE
  round 1.7 hole 1.1: 1(5.08,0) 2(5.08,-5.08) 3(0,0) 4(0,-5.08)
AP3401_SOT95P280X100-6N
  rect 1.05x0.55 smd: 1(-1.3,0.95) 2(-1.3,0) 3(-1.3,-0.95) 4(1.3,-0.95) 5(1.3,0) 6(1.3,0.95)
APX803
  rect 1.1x0.65 smd: 1(-1.05,0.96) 2(-1.05,-0.96) 3(1.05,0)
C_0402_1005Metric
  rrect 0.56x0.62 smd: 1(-0.48,0) 2(0.48,0)
C_0603_1608Metric
  rrect 0.9x0.95 smd: 1(-0.775,0) 2(0.775,0)
C_0805_2012Metric
  rrect 1x1.45 smd: 1(-0.95,0) 2(0.95,0)
